# Altium PCB PCB1_V2.PcbDoc
Units mm, origin at the board's own origin, x right, y up, seen from the top; angles counter-clockwise.
Board outline 92 x 96 mm, 2 copper layers (Top Layer, Bottom Layer), stack 1.611 mm thick; 72 components, 79 nets, 262 pads, 0 vias.
Unrouted connection lines stored in the file: 171.
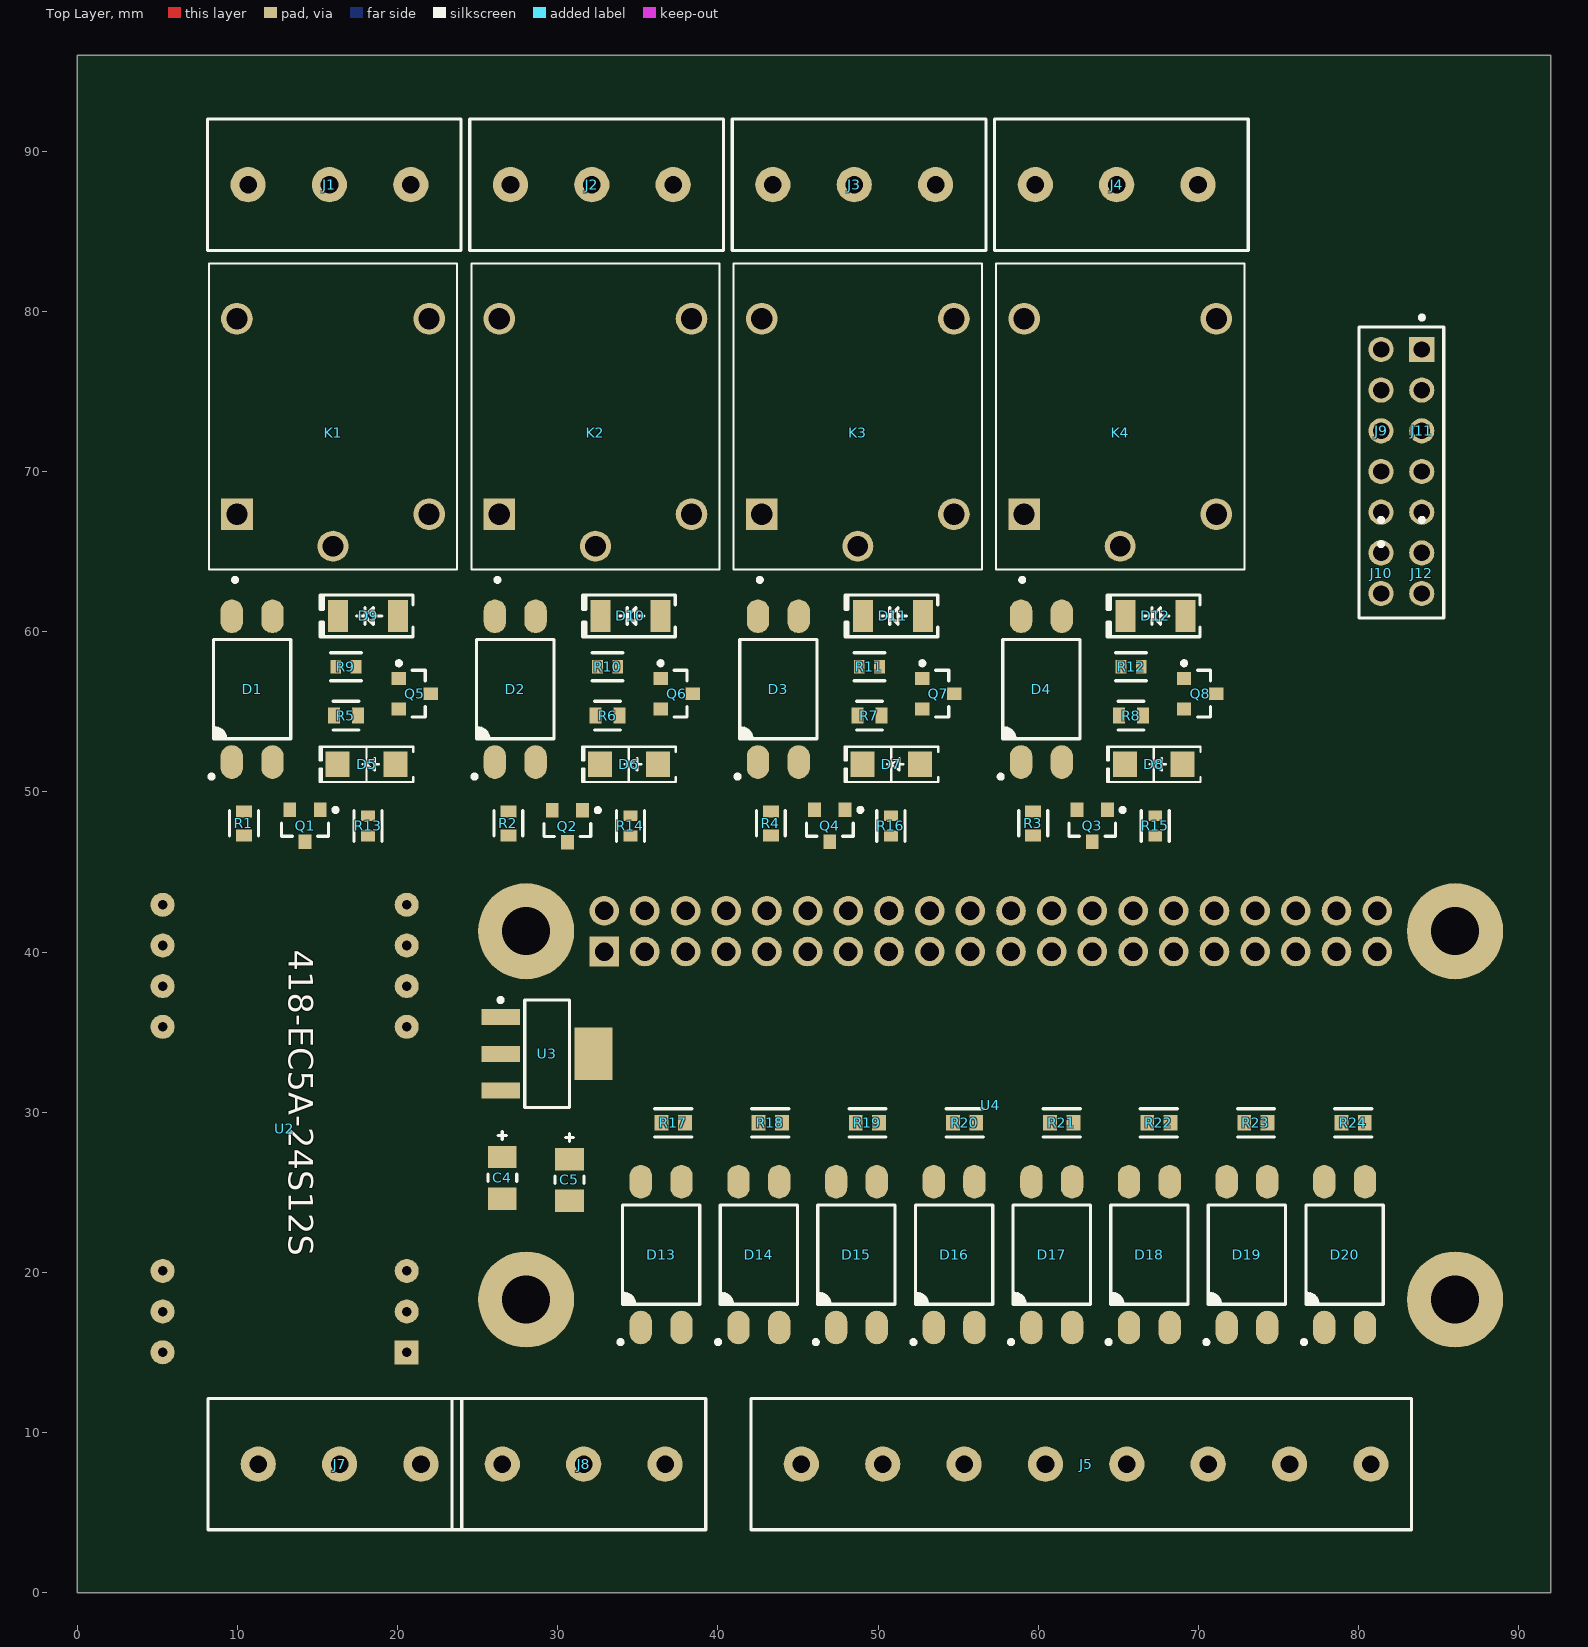
[diagram p0: Top Layer view]
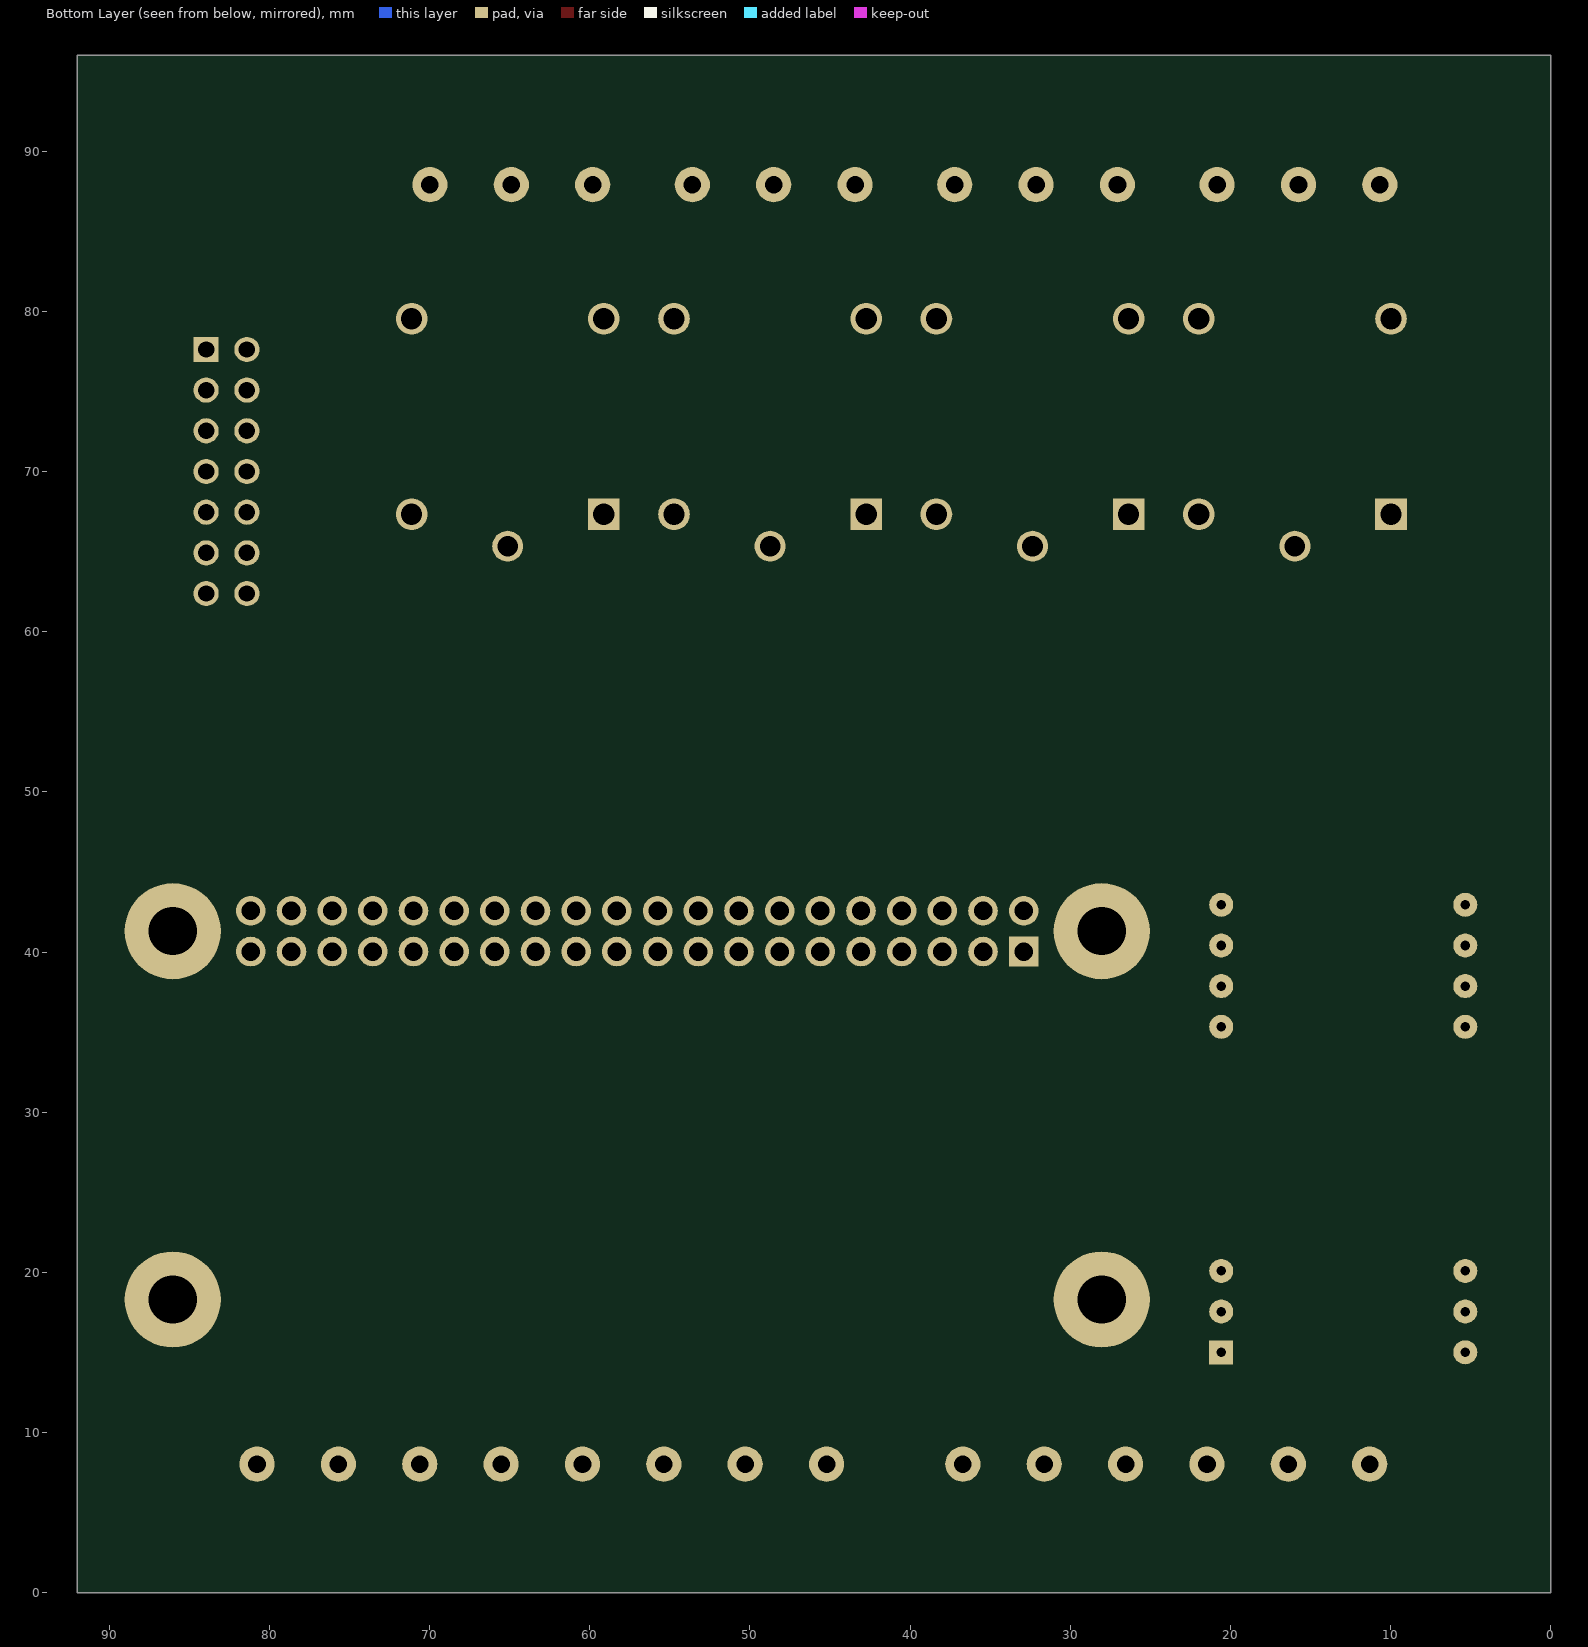
[diagram p1: Bottom Layer view, seen from below]

## Layer stack, top to bottom
Top Solder: solder mask 0.0102, Solder Resist, Dk 3.5
Top Layer: signal copper 0.0356
Dielectric 1: dielectric 1.54, FR-4, Dk 4.8
Bottom Layer: signal copper 0.0356
Bottom Solder: solder mask 0.0102, Solder Resist, Dk 3.5

## Board outline
0,0 92,0 92,96 0,96

## Design rules (kind name [scope] priority, off if disabled: settings)
Clearance [All] p1: gap=0.15 ignorepadtopadclearanceinfootprint=FALSE
PolygonConnect [All] p1: connectstyle=Relief reliefconductorwidth=0.254 reliefentries=4 polygonreliefangle="90 Angle" airgapwidth=0.254
RoutingVias [All] p1: holewidth=0.3 width=0.45 viastyle="Through Hole" minholewidth=0.3 minwidth=0.45 maxholewidth=0.5 maxwidth=0.75
SolderMaskExpansion [All] p1: expansion=0.102 istentingtop=FALSE
SupplyNets "Schematic Supply Nets_4" [InNet('3V3')] p1: voltage=0.000
SupplyNets "Schematic Supply Nets_3" [InNet('+24V')] p2: voltage=0.000
SupplyNets "Schematic Supply Nets_2" [InNet('+5V')] p3: voltage=0.000
SupplyNets "Schematic Supply Nets_1" [InNet('GND')] p4: voltage=0.000
SupplyNets "Schematic Supply Nets" [InNet('+12V')] p5: voltage=0.000
Width [All] p1: maxlimit=0.508 minlimit=0.15 preferedwidth=0.15
30 further rules are at their usual default settings.

## Components (designator, comment, footprint, x,y, rotation, side; value= is the part's Value field where it differs from the comment)
C4 "10uF" FP-TAJA-MFG 26.543,25.908 r90 top
C5 "10uF" FP-TAJA-MFG 30.734,25.781 r90 top
D1 "LTV-817S-TA" "LITEON LTV-817" 10.923,56.419 r90 top
D2 "LTV-817S-TA" "LITEON LTV-817" 27.348,56.419 r90 top
D3 "LTV-817S-TA" "LITEON LTV-817" 43.774,56.419 r90 top
D4 "LTV-817S-TA" "LITEON LTV-817" 60.199,56.419 r90 top
D5 "Red" "LED 1206_3216 RED" 18.065,51.72 r180 top
D6 "Red" "LED 1206_3216 RED" 34.448,51.72 r180 top
D7 "Red" "LED 1206_3216 RED" 50.831,51.72 r180 top
D8 "Red" "LED 1206_3216 RED" 67.214,51.72 r180 top
D9 "LL4148" "SOD-80 MiniMELF" 18.162,60.991 r180 top
D10 "LL4148" "SOD-80 MiniMELF" 34.545,60.991 r180 top
D11 "LL4148" "SOD-80 MiniMELF" 50.928,60.991 r180 top
D12 "LL4148" "SOD-80 MiniMELF" 67.311,60.991 r180 top
D13 "LTV-817S-TA" "LITEON LTV-817" 36.46,21.113 r90 top
D14 "LTV-817S-TA" "LITEON LTV-817" 42.556,21.113 r90 top
D15 "LTV-817S-TA" "LITEON LTV-817" 48.652,21.113 r90 top
D16 "LTV-817S-TA" "LITEON LTV-817" 54.748,21.113 r90 top
D17 "LTV-817S-TA" "LITEON LTV-817" 60.844,21.113 r90 top
D18 "LTV-817S-TA" "LITEON LTV-817" 66.94,21.113 r90 top
D19 "LTV-817S-TA" "LITEON LTV-817" 73.036,21.113 r90 top
D20 "LTV-817S-TA" "LITEON LTV-817" 79.132,21.113 r90 top
J1 "282837-3" "TE 282837-3" 15.749,87.915 r0 top
J2 "282837-3" "TE 282837-3" 32.132,87.915 r0 top
J3 "282837-3" "TE 282837-3" 48.514,87.915 r0 top
J4 "282837-3" "TE 282837-3" 64.898,87.915 r0 top
J5 "282837-8" "TE 282837-8" 62.993,8.032 r0 top
J7 "282837-3" "TE 282837-3" 16.384,8.032 r180 top
J8 "282837-3" "TE 282837-3" 31.624,8.032 r180 top
J9 "22-28-4050" FP-22-28-4050-MFG#1 81.408,72.548 r90 top
J10 "PEC02SABN" FP-PEC02SABN-MFG 81.408,63.658 r270 top
J11 "22-28-4050" FP-22-28-4050-MFG#2 83.948,72.548 r270 top
J12 "PEC02SABN" FP-PEC02SABN-MFG 83.948,63.658 r270 top
K1 "SRD-12VDC-SL-C" RELAY_SRD-05VDC-SL-C 15.972,73.442 r90 top
K2 "SRD-12VDC-SL-C" RELAY_SRD-05VDC-SL-C 32.355,73.442 r90 top
K3 "SRD-12VDC-SL-C" RELAY_SRD-05VDC-SL-C 48.738,73.442 r90 top
K4 "SRD-12VDC-SL-C" RELAY_SRD-05VDC-SL-C 65.121,73.442 r90 top
Q1 "SMMBT3904LT1G" ONSC-SOT-23-3-318-08_V 14.224,47.879 r270 top
Q2 "SMMBT3904LT1G" ONSC-SOT-23-3-318-08_V 30.607,47.863 r270 top
Q3 "SMMBT3904LT1G" ONSC-SOT-23-3-318-08_V 63.374,47.879 r270 top
Q4 "SMMBT3904LT1G" ONSC-SOT-23-3-318-08_V 46.99,47.879 r270 top
Q5 "SMMBT3904LT1G" ONSC-SOT-23-3-318-08_V 21.083,56.137 r0 top
Q6 "SMMBT3904LT1G" ONSC-SOT-23-3-318-08_V 37.424,56.137 r0 top
Q7 "SMMBT3904LT1G" ONSC-SOT-23-3-318-08_V 53.764,56.137 r0 top
Q8 "SMMBT3904LT1G" ONSC-SOT-23-3-318-08_V 70.105,56.137 r0 top
R1 "820 Ohm" FP-CRCW0603-HPe3-MFG 10.414,48.043 r270 top
R2 "820 Ohm" FP-CRCW0603-HPe3-MFG 26.924,48.043 r270 top
R3 "820 Ohm" FP-CRCW0603-HPe3-MFG 59.69,48.043 r270 top
R4 "820 Ohm" FP-CRCW0603-HPe3-MFG 43.307,48.043 r270 top
R5 "820 Ohm" FP-CRCW0603-HPe3-MFG 16.777,54.768 r180 top
R6 "820 Ohm" FP-CRCW0603-HPe3-MFG 33.118,54.768 r180 top
R7 "820 Ohm" FP-CRCW0603-HPe3-MFG 49.458,54.768 r180 top
R8 "820 Ohm" FP-CRCW0603-HPe3-MFG 65.799,54.768 r180 top
R9 "1 k" FP-MCT0603-IPC_C 16.777,57.816 r0 top
R10 "1 k" FP-MCT0603-IPC_C 33.118,57.816 r0 top
R11 "1 k" FP-MCT0603-IPC_C 49.458,57.816 r0 top
R12 "1 k" FP-MCT0603-IPC_C 65.799,57.816 r0 top
R13 "1 k" FP-MCT0603-IPC_C 18.161,47.879 r90 top
R14 "1 k" FP-MCT0603-IPC_C 34.544,47.879 r90 top
R15 "1 k" FP-MCT0603-IPC_C 67.31,47.879 r90 top
R16 "1 k" FP-MCT0603-IPC_C 50.8,47.879 r90 top
R17 "10k" FP-MCT0603-IPC_B 37.211,29.337 r0 top
R18 "10k" FP-MCT0603-IPC_B 43.275,29.337 r0 top
R19 "10k" FP-MCT0603-IPC_B 49.34,29.337 r0 top
R20 "10k" FP-MCT0603-IPC_B 55.404,29.337 r0 top
R21 "10k" FP-MCT0603-IPC_B 61.468,29.337 r0 top
R22 "10k" FP-MCT0603-IPC_B 67.533,29.337 r0 top
R23 "10k" FP-MCT0603-IPC_B 73.597,29.337 r0 top
R24 "10k" FP-MCT0603-IPC_B 79.662,29.337 r0 top
U2 "418-EC5A-24S12S" 418-EC5A-24S12S 20.574,15.017 r180 top
U3 "LM1117MP-5.0" MP04A_N 29.337,33.655 r0 top
U4 "Raspberry pi zero 2W" PCBComponent_1 32.904,40.036 r90 top

## Footprints (in the part's own frame and the unit in brackets; to place one, negate y for a bottom-side part, rotate by r counter-clockwise, add the part's x,y. Pads: shape width x height; smd on the part's side, far side on the other; paste and mask are expansions set on the pad)
418-EC5A-24S12S [mm]
  rect 1.5x1.5 hole 0.6: 1(0,0)
  round 1.5 hole 0.6: 2(0,-2.54) 3(0,-5.08) 9(0,-20.32) 10(0,-22.86) 11(0,-25.4) 12(0,-27.94) 13(15.24,-27.94) 14(15.24,-25.4) 15(15.24,-22.86) 16(15.24,-20.32) 22(15.24,-5.08) 23(15.24,-2.54) 24(15.24,0)
  body extent -2.52,-29.87 17.78,1.93, height 10.2
FP-22-28-4050-MFG#1 [mm]
  round 1.57 hole 1.02 paste-2539.97 mask+0: 1(-5.08,0) 2(-2.54,0) 3(0,0) 4(2.54,0) 5(5.08,0)
  silkscreen extent -11.69,-1.37 6.48,1.37, body extent -6.58,-1.47 6.58,1.47, height 0.25
FP-22-28-4050-MFG#2 [mm]
  rect 1.57x1.57 hole 1.02 paste-2539.97 mask+0: 1(-5.08,0)
  round 1.57 hole 1.02 paste-2539.97 mask+0: 2(-2.54,0) 3(0,0) 4(2.54,0) 5(5.08,0)
  silkscreen extent -7.2,-1.37 11.69,1.37, body extent -6.58,-1.47 6.58,1.47, height 0.25
FP-CRCW0603-HPe3-MFG [mm]
  rect 0.75x1 smd paste+0 mask+0: 1(-0.75,0) 2(0.75,0)
  silkscreen extent -0.8,-0.9 0.8,0.9, body extent -1.22,-0.6 1.22,0.6, height 0.25
FP-MCT0603-IPC_B [mm]
  rect 0.864x0.962 smd paste+0 mask+0: 1(-0.729,0) 2(0.729,0)
  silkscreen extent -1.16,-0.88 1.16,0.88, body extent -1.41,-0.73 1.41,0.73, height 0.25
FP-MCT0603-IPC_C [mm]
  rect 0.664x0.862 smd paste+0 mask+0: 1(-0.629,0) 2(0.629,0)
  silkscreen extent -0.96,-0.87 0.96,0.87, body extent -1.06,-0.58 1.06,0.58, height 0.25
FP-PEC02SABN-MFG [mm]
  round 1.57 hole 1.02 paste-2539.97 mask+0: 1(-1.27,0) 2(1.27,0)
  silkscreen extent -3.45,-1.34 2.8,1.34, body extent -2.9,-1.44 2.9,1.44, height 0.25
FP-TAJA-MFG [mm]
  rect 1.4x1.8 smd paste+0 mask+0: 1(-1.3,0) 2(1.3,0)
  silkscreen extent -0.23,-0.9 2.9,0.9, body extent -2.1,-1 2.1,1, height 0.25
"LED 1206_3216 RED" [mm] "Chip Diode, 2-Leads, Body 3.13x1.55mm, IPC Medium Density"
  rect 1.5x1.6 smd: 1(-1.8,0) 2(1.8,0)
  silkscreen extent -2.92,-1.1 2.92,1.1, body extent -1.6,-0.8 1.6,0.8, height 0.9
"LITEON LTV-817" [mm] "SOP, 4-Leads, Body 4.60x6.50mm, Pitch 2.54mm, IPC Medium Density"
  oval 2.1x1.4 smd: 1(-4.55,1.27) 2(-4.55,-1.27) 3(4.55,-1.27) 4(4.55,1.27)
  silkscreen extent -5.59,-2.41 3.1,2.66, body extent -5.1,-2.3 5.1,2.3, height 3.85
MP04A_N [mm] "SOT223, 4-Leads, Body 6.5x3.5mm, Pitch 2.3mm, Lead Span 7mm, IPC Medium Density"
  rect 2.4x1 smd: 1(-2.9,2.3) 2(-2.9,0) 3(-2.9,-2.3)
  rect 2.4x3.3 smd: 4(2.9,0)
  silkscreen extent -3.02,-3.35 1.4,3.47, body extent -1.86,-3.35 1.86,3.35, height 1.8
ONSC-SOT-23-3-318-08_V [mm] "SOT23, 3-Leads, Body 2.92x1.3mm, Pitch 0.95mm"
  rect 0.9x0.8 smd: 1(-1,0.95) 2(-1,-0.95) 3(1,0)
  silkscreen extent -1.12,-1.46 0.65,2.03, body extent -0.65,-1.46 0.65,1.46, height 1.11
PCBComponent_1 [mm]
  rect 1.85x1.85 hole 1.15: 1(0,0)
  round 1.85 hole 1.15: 2(2.54,0) 3(0,-2.54) 4(2.54,-2.54) 5(0,-5.08) 6(2.54,-5.08) 7(0,-7.62) 8(2.54,-7.62) 9(0,-10.16) 10(2.54,-10.16) 11(0,-12.7) 12(2.54,-12.7) 13(0,-15.24) 14(2.54,-15.24) 15(0,-17.78) 16(2.54,-17.78) 17(0,-20.32) 18(2.54,-20.32) 19(0,-22.86) 20(2.54,-22.86) 21(0,-25.4) 22(2.54,-25.4) 23(0,-27.94) 24(2.54,-27.94) 25(0,-30.48) 26(2.54,-30.48) 27(0,-33.02) 28(2.54,-33.02) 29(0,-35.56) 30(2.54,-35.56) 31(0,-38.1) 32(2.54,-38.1) 33(0,-40.64) 34(2.54,-40.64) 35(0,-43.18) 36(2.54,-43.18) 37(0,-45.72) 38(2.54,-45.72) 39(0,-48.26) 40(2.54,-48.26)
  round 6 hole 3: 41(-21.73,4.871) 42(1.27,4.871) 43(-21.73,-53.129) 44(1.27,-53.129)
  body extent -25.82,-56.63 4.78,8.37, height 15.65
RELAY_SRD-05VDC-SL-C [mm]
  rect 1.98x1.98 / inner round 1.98 / far side rect 1.98x1.98 hole 1.32: A1(-6.1,6)
  round 1.98 hole 1.32: A2(-6.1,-6) NC(6.1,6) NO(6.1,-6)
  round 1.935 hole 1.29: COM(-8.1,0)
  silkscreen extent -10.3,-7.75 9.55,7.75, body extent -9.6,-7.8 9.6,7.8, height 15.8
"SOD-80 MiniMELF" [mm] "Molded Diode, 2-Leads, Body 3.40x1.50mm, IPC Medium Density"
  rect 1.25x2 smd: 1(-1.875,0) 2(1.875,0)
  silkscreen extent -2.8,-1.3 2.99,1.3, body extent -1.7,-0.75 1.7,0.75, height 1.5
"TE 282837-3" [mm] "Wire to Board Terminal Block Horizontal with Board, 3 Postions, Body 15.84x8.2mm, Pitch 5.08mm"
  round 2.2 hole 1.1: 1(-5.08,0) 2(0,0) 3(5.08,0)
  silkscreen extent -7.62,-4.1 8.22,4.1, body extent -7.62,-4.1 8.22,4.1, height 10.3
"TE 282837-8" [mm] "Wire to Board Terminal Block Horizontal with Board, 8 Postions, Body 41.24x8.2mm, Pitch 5.08mm"
  round 2.2 hole 1.1: 1(-17.78,0) 2(-12.7,0) 3(-7.62,0) 4(-2.54,0) 5(2.54,0) 6(7.62,0) 7(12.7,0) 8(17.78,0)
  silkscreen extent -20.92,-4.1 20.32,4.1, body extent -20.92,-4.1 20.32,4.1, height 10.3

## Part data
C4 C5: library part CMP-2000-07219-2, "TAJA106M010RNJ 10uF 10V  ±20% 3Ω 1206  SMD Tantalum Capacitor", Case Code (Imperial)=1206, Case Code (Metric)=3216, Dielectric Material=Tantalum, ESR (Equivalent Series Resistance)=3R, Leakage Current=1uA, Max Operating Temperature=125°C, Min Operating Temperature=-55°C, Package Quantity=1, Tolerance=20%, Voltage=10V, Capacitance=10uF, Case/Package=1206, Construction=Flat, Depth=1.6mm, Dissipation Factor=6%, Features="General Purpose", Height=1.6mm, Height - Seated (Max)=0.071inch, Lead Free="Lead Free", Lead Pitch=1.1mm, Length=3.2mm, Mount="Surface Mount", Number of Pins=2, Packaging="Tape and Reel", Polarity=Polar, Radiation Hardening=No, REACH SVHC="No SVHC", RoHS Compliant=Yes, Series=TAJ, Termination=SMD/SMT, Voltage Rating=10V, Voltage Rating (DC)=10V, Width=0.063inch
D1 D2 D3 D4 D13 D14 D15 D16 D17 D18 D19 D20: "OPTOISOLATR 5KV TRANSISTOR 4-SMD", Current - DC Forward (If) (Max)=50mA, Current Transfer Ratio (Max)="600% @ 5mA", Current Transfer Ratio (Min)="50% @ 5mA", Device Package="4-SMD, Gull Wing", Manufacturer="Lite-On Inc.", Operating Temperature="-30°C ~ 110°C", Supplier Device Package=4-SMD, Supplier Part Number 1=160-2038-1-ND, Voltage - Forward (Vf) (Typ)=1.2V, Voltage - Isolation=5000Vrms, Voltage - Output (Max)=35V, ComponentLink1Description=Datasheet, ComponentLink1URL=http://optoelectronics.liteon.com/upload/download/DS-70-96-0016/LTV-8X7%20series%20201610%20.pdf, ComponentLink2Description="DigiKey Link", ComponentLink2URL=http://digikey.com/product-detail/en/lite-on-inc/LTV-817S-TA/160-2038-1-ND/3711420, Current - Output / Channel=50mA, Input Type=DC, LastUpdated="12/01/2020 21:59:02", Lifecycle Status=Active, Minimum Order=1, Mounting Type="Surface Mount", Number of Channels=1, Output Type=Transistor, Package / Case="4-SMD, Gull Wing", Packaging=TapeAndReel, Part Number=LTV-817S-TA, Part Status=Active, Price=0.12, Rise / Fall Time (Typ)="4µs, 3µs", Series=-, Supplier 1=DigiKey, Vce Saturation (Max)=200mV
D5 D6 D7 D8: library part LTST-C150KAKT, "LED RED CLEAR SMD", Current - Test=20mA, Device Package="1206 (3216 Metric)", Lens Color=Colorless, Manufacturer="Lite-On Inc.", Millicandela Rating=55mcd, Supplier Part Number 1=160-1402-1-ND, Voltage - Forward (Vf) (Typ)=2V, Color=Red, ComponentLink1Description=Datasheet, ComponentLink1URL=//media.digikey.com/pdf/Data%20Sheets/Lite-On%20PDFs/LTST-C150KAKT.pdf, ComponentLink2Description="DigiKey Link", ComponentLink2URL=http://digikey.com/product-detail/en/lite-on-inc/LTST-C150KAKT/160-1402-1-ND/386755, Configuration=Standard, Height (Max)=1.10mm, LastUpdated="03/06/2024 20:00:41", Lens Size="2.06mm x 1.60mm", Lens Style="Rectangle with Flat Top", Lens Transparency=Clear, Lifecycle Status=Active, Minimum Order=1, Mounting Type="Surface Mount", Package / Case="1206 (3216 Metric)", Packaging=TapeAndReel, Part Number=LTST-C150KAKT, Part Status=Active, PartId=189, Price=0.07, Series=-, Size / Dimension="3.20mm L x 1.60mm W", Supplier 1=DigiKey, Viewing Angle=130°, Wavelength - Dominant=615nm, Wavelength - Peak=621nm
D9 D10 D11 D12: "DIODE GEN PURP 100V 200MA SOD80", Current - Average Rectified (Io)=200mA, Current - Reverse Leakage @ Vr="25nA @ 20V", Manufacturer="ON Semiconductor", Operating Temperature - Junction="-55°C ~ 175°C", Package / Case="DO-213AC, MINI-MELF, SOD-80", Supplier Device Package=SOD-80, Supplier Part Number 1=LL4148FSCT-ND, Voltage - DC Reverse (Vr) (Max)=100V, Voltage - Forward (Vf) (Max) @ If="1V @ 10mA", ComponentLink1Description=Datasheet, ComponentLink1URL=https://www.onsemi.com/pub/Collateral/LL4148-D.pdf, ComponentLink2Description="DigiKey Link", ComponentLink2URL=http://digikey.com/product-detail/en/on-semiconductor/LL4148/LL4148FSCT-ND/1923118, Diode Type=Standard, LastUpdated="03/06/2024 20:05:39", Lifecycle Status=Active, Minimum Order=1, Mounting Type="Surface Mount", Packaging=TapeAndReel, Part Number=LL4148, Part Status=Active, PartId=2621, Price=0.02, Reverse Recovery Time (trr)=4ns, Series=-, Speed="Small Signal =< 200mA (Io), Any Speed", Supplier 1=DigiKey
J1 J2 J3 J4 J7 J8: "TERM BLK 3P SIDE ENT 5.08MM PCB", Color=Green, Current="13.5 A", Manufacturer="TE Connectivity AMP Connectors", Supplier Part Number 1=A113321-ND, Voltage="300 V", ComponentLink1Description=Datasheet, ComponentLink1URL=https://www.te.com/commerce/DocumentDelivery/DDEController?Action=srchrtrv&DocNm=282837&DocType=Customer+Drawing&DocLang=English, ComponentLink2Description="DigiKey Link", ComponentLink2URL=https://www.digikey.com/en/products/detail/te-connectivity-amp-connectors/282837-3/2187974, Features="Interlocking (Side)", LastUpdated="21/06/2022 15:00:39", Lifecycle Status=Active, Mating Orientation="Horizontal with Board", Minimum Order=1, Mounting Type="Through Hole", Number of Levels=1, Packaging=Tray, Part Number=282837-3, Part Status=Active, Pitch="0.200\" (5.08mm)", Positions Per Level=3, Price=0.47, Series=Buchanan, Supplier 1=DigiKey, Wire Gauge="16-28 AWG", Wire Termination="Screw - Rising Cage Clamp"
J5: "TERM BLK 8P SIDE ENT 5.08MM PCB", Color=Green, Current="13.5 A", Manufacturer="TE Connectivity AMP Connectors", Supplier Part Number 1=282837-8-ND, Voltage="300 V", ComponentLink1Description=Datasheet, ComponentLink1URL=https://www.te.com/commerce/DocumentDelivery/DDEController?Action=srchrtrv&DocNm=282837&DocType=Customer+Drawing&DocLang=English, ComponentLink2Description="DigiKey Link", ComponentLink2URL=https://www.digikey.com/en/products/detail/te-connectivity-amp-connectors/282837-8/2222331, Features="Interlocking (Side)", LastUpdated="21/06/2022 15:01:52", Lifecycle Status=Active, Mating Orientation="Horizontal with Board", Minimum Order=1, Mounting Type="Through Hole", Number of Levels=1, Packaging=Bulk, Part Number=282837-8, Part Status=Active, Pitch="0.200\" (5.08mm)", Positions Per Level=8, Price=1.64, Series=Buchanan, Supplier 1=DigiKey, Wire Gauge="16-28 AWG", Wire Termination="Screw - Rising Cage Clamp"
J9 J11: library part CMP-00257-00278173-1, "22-28-4050 KK® 254 Breakaway Header, Vertical, 5 Circuits, Tin (Sn) Plating, Mating Pin Length 6.09mm", Color=Black, Contact Resistance=20mΩ, Current Rating=4A, Flammability Rating="UL94 V-0", Max Operating Temperature=75°C, Max Voltage Rating (DC)=250.25kV, Min Operating Temperature=0°C, Voltage Rating=250V, Connector Type="Male Pin", Contact Material=Brass, Contact Mating Length=6.096mm, Contact Plating=Tin, Gender=Male, Glow Wire Compliant=Non-compliant, Height=2.29mm, Housing Color=Black, Housing Material=Thermoplastic, Lead Free="Lead Free", Lead Pitch=2.54mm, Length=12.7mm, Mount="Through Hole", NexarPartId=278173, Number of Circuits=5, Number Of Contacts=5, Number of Positions=5, Number Of Rows=1, Orientation=Vertical, Packaging=Bulk, Pitch=2.54mm, Radiation Hardening=No, REACH SVHC=Unknown, RoHS=Compliant, Schedule B=8536694040, Termination=Solder, Voltage Rating (DC)=250V, Width=2.49mm
J10 J12: library part CMP-25680-000076-1, "CONN HEADER VERT 2POS 2.54MM", Color=Black, Flammability Rating="UL94 V-0", Max Operating Temperature=125°C, Min Operating Temperature=-65°C, Package Quantity=1, Connector Type="Male Pin", Contact Finish - Mating=TIN, Contact Material=Bronze, Contact Mating Length=0.23inch, Contact Plating=Tin, Contact Shape=Square, Contact Type="Male Pin", Fastening Type=Pull, Gender=Male, Height=2.54mm, Housing Color=Black, Housing Material=Plastic, Insulation Color=Black, Insulation Material=PBT, Lead Free="Lead Free", Length=5.08mm, Mount="Through Hole", Number Of Contacts=2, Number of Positions=2, Number Of Rows=1, Packaging=Bulk, Pitch=0.1inch, RoHS Compliant=Yes, Series=-, Termination=Solder, Width=2.54mm
K1 K2 K3 K4: library part SRD-05VDC-SL-C, "5V Trigger Relay Module For Arduino And Raspberry Pi 5V Trigger Relay Module For Arduino And Raspberry Pi", Package="NON STANDARD-5 Songle Relay", Availability="Not in stock", Check_prices=https://www.snapeda.com/parts/SRD-05VDC-SL-C/Songle+Relay/view-part/?ref=eda, MF="Songle Relay", MP=SRD-05VDC-SL-C, Price=None, SnapEDA_Link=https://www.snapeda.com/parts/SRD-05VDC-SL-C/Songle+Relay/view-part/?ref=snap
Q1 Q2 Q3 Q4 Q5 Q6 Q7 Q8: library part CMP-1048-00625-1, "General Purpose Transistor, NPN Silicon, 3-Pin SOT-23, Pb-Free, Tape and Reel", Manufacturer="On Semiconductor", ComponentLink1Description="Manufacturer URL", ComponentLink1URL=http://www.onsemi.com/, ComponentLink2Description=Datasheet, ComponentLink2URL=http://www.onsemi.cn/pub_link/Collateral/MMBT3904LT1-D.PDF, ComponentLink3Description="Package Specification", ComponentLink3URL=http://www.onsemi.cn/pub_link/Collateral/318-08.PDF, DatasheetVersion="Rev. 12", fT Min (MHz)=300, IC Continuous (A)=0.2, Mounting Technology="Surface Mount", PackageDescription="3-Pin Small Outline Transistor, Body 2.92 x 1.3 mm, Pitch 0.95 mm", PackageReference=SOT-23-3-318-08, PackageVersion="Rev. AP, 11/2009", Packing="Tape and Reel", PartNumber=SMMBT3904LT1G, Polarity=NPN, RoHS=TRUE
R1 R2 R3 R4 R5 R6 R7 R8: library part CMP-02407-003128-1, "RES Thick Film, 820Ω, 1%, 0.33W, 100ppm/°C, 0603", Case Code (Imperial)=0603, Case Code (Metric)=1608, Max Operating Temperature=155°C, Max Power Dissipation=250mW, Min Operating Temperature=-55°C, Package Quantity=1, Resistance=820R, Temperature Coefficient=100ppm/°C, Tolerance=1%, Voltage Rating=75V, Case/Package=0603, Composition="Thick Film", Contact Plating=Tin, Depth=0.85mm, Features="Automotive AEC-Q200", Height=0.45mm, Lead Free="Lead Free", Length=1.6mm, Military Standard=Not, Number of Terminations=2, Packaging="Tape and Reel", Power Rating=250mW, Radiation Hardening=No, Termination=SMD/SMT, Voltage Rating (DC)=75V, Weight=7.1E-05oz, Width=0.033inch
R9 R10 R11 R12 R13 R14 R15 R16: library part CMP-02407-000265-1, "MCT0603PD1001DP500 RES SMD 100 OHM 1% 1/8W 0603", Case Code (Imperial)=0603, Case Code (Metric)=1608, Max Operating Temperature=175°C, Max Power Dissipation=250mW, Min Operating Temperature=-55°C, Resistance=1kR, Temperature Coefficient=25ppm/°C, Tolerance=0.5%, Case/Package=0603, Composition="Thin Film", Features="Automotive AEC-Q200", Number of Terminations=2, Packaging="Tape and Reel"
R17 R18 R19 R20 R21 R22 R23 R24: library part CMP-02407-000530-1, "MCT0603MD1002BP100 RES SMD 10k OHM 1% 1/8W 0603", Case Code (Imperial)=0603, Case Code (Metric)=1608, Max Operating Temperature=155°C, Max Power Dissipation=125mW, Min Operating Temperature=-55°C, Package Quantity=1, Resistance=10kR, Temperature Coefficient=25ppm/°C, Tolerance=0.1%, Voltage Rating=75V, Case/Package=0603, Composition="Thin Film", Contact Plating=Tin, Depth=0.85mm, Features="Automotive AEC-Q200", Height=0.45mm, Lead Free="Lead Free", Length=1.55mm, Military Standard=Not, Number of Terminations=2, Packaging="Tape and Reel", Power Rating=125mW, Radiation Hardening=No, REACH SVHC="No SVHC", Voltage Rating (DC)=75V, Width=0.033inch
U3: library part CMP-0062-01640-3, "800mA Low-Dropout Linear Regulator, 4-pin SOT-223", Manufacturer="National Semiconductor", PackageTopMarking=XYTT*N06A, PowerWise=N, Code_IPC=SOT223-4, Code_JEDEC=TO-261-AA, ComponentLink1Description="Manufacturer URL", ComponentLink1URL=http://www.national.com/, ComponentLink2Description="LM1117 Datasheet", ComponentLink2URL=http://www.national.com/ds/LM/LM1117.pdf, ComponentLink3Description="LM1117 Web Page", ComponentLink3URL=http://www.national.com/pf/LM/LM1117.html, ComponentLink4Description="MP04A Package Page", ComponentLink4URL=http://www.national.com/packaging/folders/mp04a.html, CompType="LDO IC", DatasheetVersion=Apr-2006, High-Reliability=Y, PackageDescription="Molded SOT-223, 6.50 x 3.56 x 1.6mm Body, 4 Lead, 2.3mm Pitch", PackageReference=MP04A, PackageVersion="revB, Apr-2003", PartNumber=LM1117MP-5.0, PinCount=4, RevisionNote="SCH symbol layout adjusted", RoHS=N

## Nets (pads, with @x,y where several pads share a name; then routed paths per layer and width w, separated by ;. In a path a pad name is that pad's centre, name@x,y a point inside that pad or via, vN(x,y) a via of type N, cw(c..) or ccw(c..) an arc to the next point about the centre after c; other vN are vias at no path point)
3V3: D13.4 D14.4 D15.4 D16.4 D17.4 D18.4 D19.4 D20.4 U4.1 U4.17
+5V: C5.2 U3.2 U3.4 U4.2 U4.4
+12V: C4.2 D1.1 D1.4 D2.1 D2.4 D3.1 D3.4 D4.1 D4.4 D5.1 D6.1 D7.1 D8.1 D9.2 D10.2 D11.2 D12.2 K1.A1 K2.A1 K3.A1 K4.A1 U2.11 U2.14 U3.3
+24V: J7.1 J7.2 J7.3 U2.22 U2.23
CE0: J11.4 U4.24
CE1: J11.5 U4.26
COM1: J1.2 K1.COM
COM2: J2.2 K2.COM
COM3: J3.2 K3.COM
COM4: J4.2 K4.COM
DI1: J9.1 U4.40
DI2: J9.2 U4.12
DI3: J9.3 U4.35
DI4: J9.4 U4.32
DI5: J9.5 U4.33
GND: C4.1 C5.1 D13.2 D14.2 D15.2 D16.2 D17.2 D18.2 D19.2 D20.2 J8.1 J8.2 J8.3 Q1.2 Q2.2 Q3.2 Q4.2 Q5.2 Q6.2 Q7.2 Q8.2 R17.1 R18.1 R19.1 R20.1 R21.1 R22.1 R23.1 R24.1 U2.2 U2.3 U2.9 U2.16 U3.1 U4.6 U4.9 U4.14 U4.20 U4.25 U4.30 U4.34 U4.39
IN1: D13.1 J5.1
IN2: D14.1 J5.2
IN3: D15.1 J5.3
IN4: D16.1 J5.4
IN5: D17.1 J5.5
IN6: D18.1 J5.6
IN7: D19.1 J5.7
IN8: D20.1 J5.8
MISO: J11.2 U4.21
MOSI: J11.1 U4.19
NC1: J1.1 K1.NC
NC2: J2.1 K2.NC
NC3: J3.1 K3.NC
NC4: J4.1 K4.NC
NetD1_2: D1.2 R1.1
NetD1_3: D1.3 R9.1
NetD2_2: D2.2 R2.1
NetD2_3: D2.3 R10.1
NetD3_2: D3.2 R3.1
NetD3_3: D3.3 R11.1
NetD4_2: D4.2 R4.1
NetD4_3: D4.3 R12.1
NetD5_2: D5.2 R5.2
NetD6_2: D6.2 R6.2
NetD7_2: D7.2 R7.2
NetD8_2: D8.2 R8.2
NetD9_1: D9.1 K1.A2 Q5.3 R5.1
NetD10_1: D10.1 K2.A2 Q6.3 R6.1
NetD11_1: D11.1 K3.A2 Q7.3 R7.1
NetD12_1: D12.1 K4.A2 Q8.3 R8.1
NetQ1_1: Q1.1 R13.2
NetQ1_3: Q1.3 R1.2
NetQ2_1: Q2.1 R14.2
NetQ2_3: Q2.3 R2.2
NetQ3_1: Q3.1 R15.2
NetQ3_3: Q3.3 R3.2
NetQ4_1: Q4.1 R16.2
NetQ4_3: Q4.3 R4.2
NetQ5_1: Q5.1 R9.2
NetQ6_1: Q6.1 R10.2
NetQ7_1: Q7.1 R11.2
NetQ8_1: Q8.1 R12.2
NO1: J1.3 K1.NO
NO2: J2.3 K2.NO
NO3: J3.3 K3.NO
NO4: J4.3 K4.NO
OI1: D13.3 R17.2 U4.7
OI2: D14.3 R18.2 U4.11
OI3: D15.3 R19.2 U4.13
OI4: D16.3 R20.2 U4.15
OI5: D17.3 R21.2 U4.29
OI6: D18.3 R22.2 U4.31
OI7: D19.3 R23.2 U4.36
OI8: D20.3 R24.2 U4.38
Rele1: R16.1 U4.37
Rele2: R15.1 U4.22
Rele3: R14.1 U4.18
Rele4: R13.1 U4.16
RXD: J12.1 U4.10
SCL: J10.2 U4.5
SCLK: J11.3 U4.23
SDA: J10.1 U4.3
TXD: J12.2 U4.8
pads on no net: U2.1 U2.10 U2.12 U2.13 U2.15 U2.24 U4.27 U4.28 U4.41 U4.42 U4.43 U4.44

## Silkscreen, mask and mechanical layers (free items; w line width, h text height)
Mechanical 1:
  lines w0.254: 28.033,41.306 57.033,41.306 ; 92,95.365 92,0 0,0 0,96 92,96